# Altium PCB PCB2.PcbDoc (part 3 of 9) (continued)
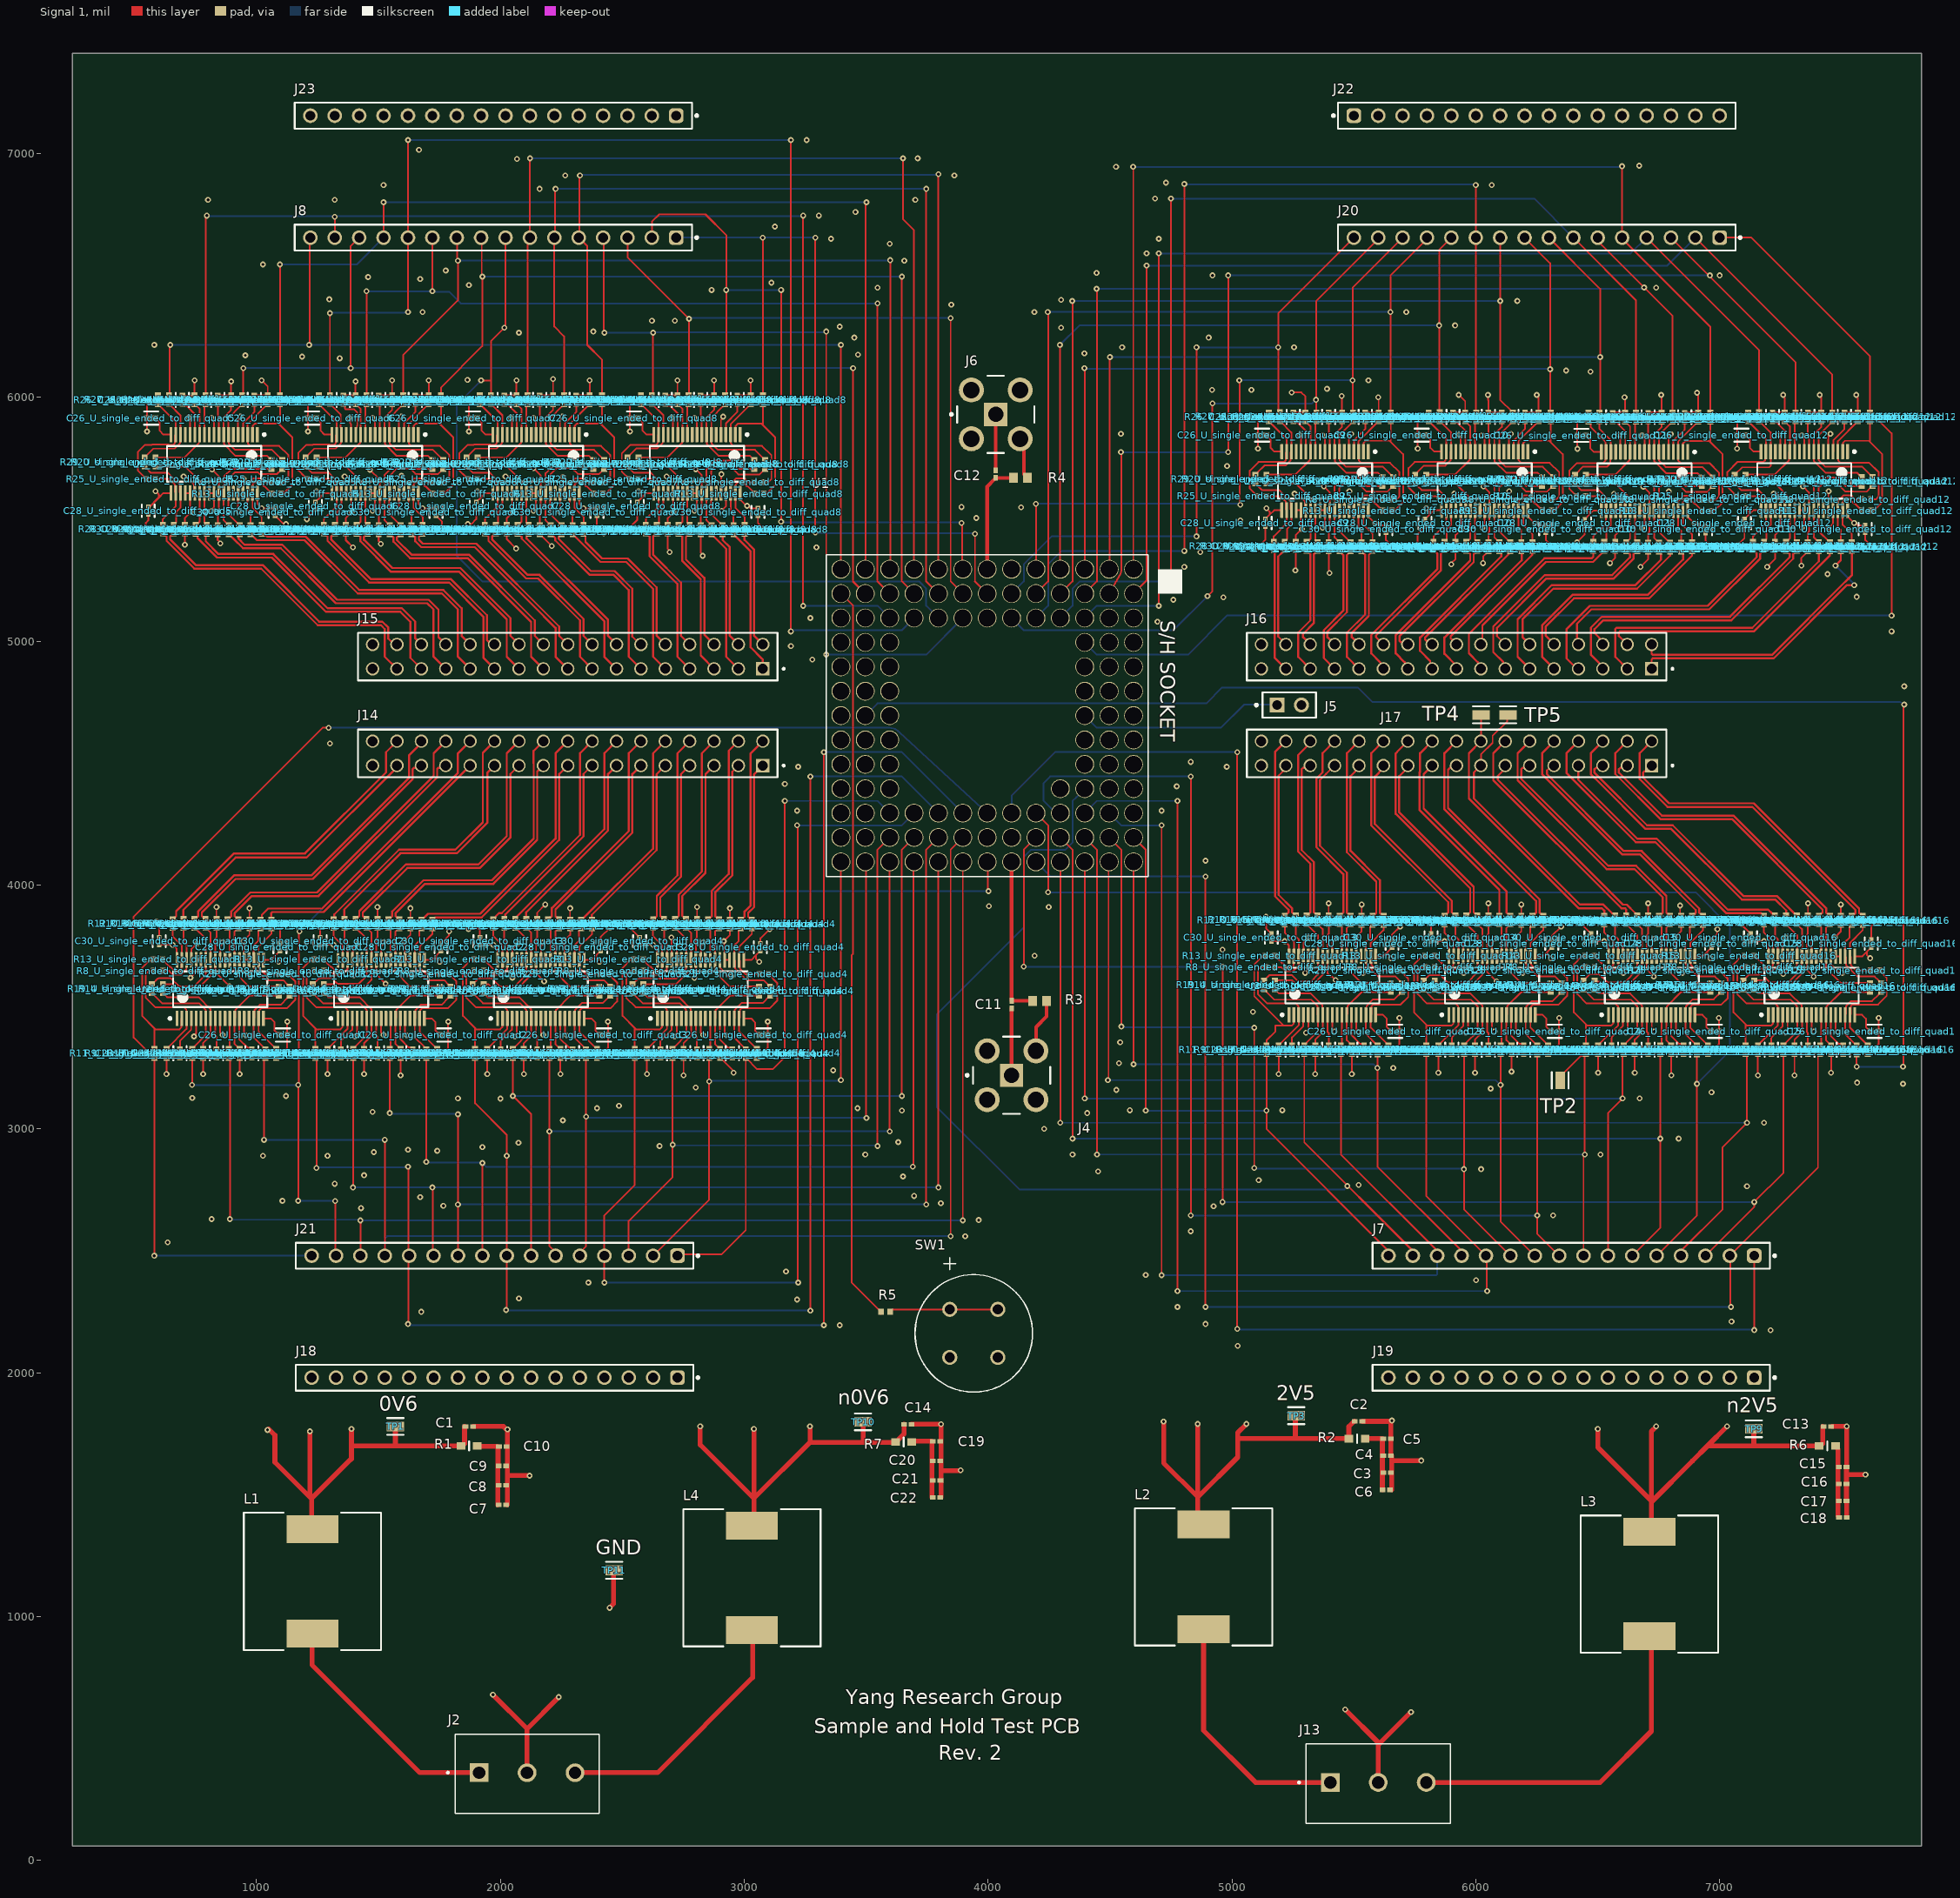
[diagram p0: Signal 1 view]
## Nets (pads, with @x,y where several pads share a name; then routed paths per layer and width w, separated by ;. In a path a pad name is that pad's centre, name@x,y a point inside that pad or via, vN(x,y) a via of type N, cw(c..) or ccw(c..) an arc to the next point about the centre after c; other vN are vias at no path point) (continued)
  Signal 1 w7: C28_U_single_ended_to_diff_quad5.1@558.81,5547.87 599.87,5588.94 ; v1(586.68,5615) 599.87,5601.81 599.87,5588.94 ; U2_U_single_ended_to_diff_quad5.20@649.52,5607.13 618.06,5607.13 599.87,5588.94 ; v1(701.68,5675) 712.2,5675 745.16,5642.04 745.16,5609.91 U2_U_single_ended_to_diff_quad5.25@747.94,5607.13 ; U2_U_single_ended_to_diff_quad1.35@733.57,3692.87 733.57,3736.89 v1(756.68,3760) ; v1(818,5704) 846.37,5675.63 U2_U_single_ended_to_diff_quad5.30@846.37,5607.13 846.37,5519.33 841.68,5514.64 C27_U_single_ended_to_diff_quad5.2@841.68,5476.1 ; C27_U_single_ended_to_diff_quad1.2@836.68,3823.9 836.68,3785.36 832,3780.67 832,3643 v1(890,3585) ; U2_U_single_ended_to_diff_quad1.25@930.42,3692.87 933.2,3690.09 933.2,3657.96 966.17,3625 v1(976.68,3625) ; U2_U_single_ended_to_diff_quad5.35@944.79,5607.13 946.4,5608.73 946.4,5663.4 v1(948,5665) ; U2_U_single_ended_to_diff_quad1.20@1028.85,3692.87 1060.3,3692.87 1078.49,3711.06 ; v1(1091.68,3685) 1078.49,3698.19 1078.49,3711.06 ; C28_U_single_ended_to_diff_quad1.1@1096.68,3730.1 1096.68,3729.25 1078.49,3711.06 ; C28_U_single_ended_to_diff_quad6.1@1241.68,5569.9 1241.68,5570.75 1259.87,5588.94 ; v1(1246.68,5615) 1259.87,5601.81 1259.87,5588.94 ; U2_U_single_ended_to_diff_quad6.20@1309.52,5607.13 1278.06,5607.13 1259.87,5588.94 ; v1(1361.68,5675) 1372.2,5675 1405.16,5642.04 1405.16,5609.91 U2_U_single_ended_to_diff_quad6.25@1407.94,5607.13 ; U2_U_single_ended_to_diff_quad2.35@1393.57,3692.87 1394.92,3694.23 1394.92,3738.24 v1(1416.68,3760) ; v1(1466,5703) 1506.37,5662.63 1506.37,5519.33 1501.68,5514.64 C27_U_single_ended_to_diff_quad6.2@1501.68,5476.1 ; C27_U_single_ended_to_diff_quad2.2@1496.68,3823.9 1496.68,3785.36 1492,3780.67 1492,3633 v1(1530,3595) ; U2_U_single_ended_to_diff_quad2.25@1590.42,3692.87 1593.2,3690.09 1593.2,3657.96 1626.17,3625 v1(1636.68,3625) ; v1(1595,5678) 1595,5673.4 1604.79,5663.61 U2_U_single_ended_to_diff_quad6.35@1604.79,5607.13 ; U2_U_single_ended_to_diff_quad2.20@1688.85,3692.87 1720.3,3692.87 1738.49,3711.06 ; v1(1751.68,3685) 1738.49,3698.19 1738.49,3711.06 ; C28_U_single_ended_to_diff_quad2.1@1756.68,3730.1 1756.68,3729.25 1738.49,3711.06 ; C28_U_single_ended_to_diff_quad7.1@1901.68,5569.9 1901.68,5570.75 1919.87,5588.94 ; v1(1906.68,5615) 1919.87,5601.81 1919.87,5588.94 ; U2_U_single_ended_to_diff_quad7.20@1969.52,5607.13 1938.06,5607.13 1919.87,5588.94 ; v1(2021.68,5675) 2032.2,5675 2065.16,5642.04 2065.16,5609.91 U2_U_single_ended_to_diff_quad7.25@2067.94,5607.13 ; U2_U_single_ended_to_diff_quad3.35@2048.57,3692.87 2049.92,3694.23 2049.92,3738.24 v1(2071.68,3760) ; v1(2136,5710) 2166.37,5679.63 U2_U_single_ended_to_diff_quad7.30@2166.37,5607.13 2166.37,5519.33 2161.68,5514.64 C27_U_single_ended_to_diff_quad7.2@2161.68,5476.1 ; C27_U_single_ended_to_diff_quad3.2@2151.68,3823.9 2151.68,3785.36 2147,3780.67 2147,3638 v1(2180,3605) ; U2_U_single_ended_to_diff_quad3.25@2245.42,3692.87 2248.2,3690.09 2248.2,3657.96 2281.17,3625 v1(2291.68,3625) ; v1(2257,5673) 2257,5668.4 2264.79,5660.61 U2_U_single_ended_to_diff_quad7.35@2264.79,5607.13 ; U2_U_single_ended_to_diff_quad3.20@2343.85,3692.87 2375.3,3692.87 2393.49,3711.06 ; v1(2406.68,3685) 2393.49,3698.19 2393.49,3711.06 ; C28_U_single_ended_to_diff_quad3.1@2411.68,3730.1 2411.68,3729.25 2393.49,3711.06 ; C28_U_single_ended_to_diff_quad8.1@2561.68,5569.9 2561.68,5570.75 2579.87,5588.94 ; v1(2566.68,5615) 2579.87,5601.81 2579.87,5588.94 ; U2_U_single_ended_to_diff_quad8.20@2629.52,5607.13 2598.06,5607.13 2579.87,5588.94 ; v1(2681.68,5675) 2692.2,5675 2725.16,5642.04 2725.16,5609.91 U2_U_single_ended_to_diff_quad8.25@2727.94,5607.13 ; v1(2701.68,3785) 2702.79,3783.89 2702.79,3693.65 U2_U_single_ended_to_diff_quad4.35@2703.57,3692.87 ; v1@2796.68,3625 2802,3630.31 U2_U_single_ended_to_diff_quad4.30@2802,3692.87 2802,3780.67 2806.68,3785.36 C27_U_single_ended_to_diff_quad4.2@2806.68,3823.9 ; v1(2801.68,5705) 2826.37,5680.31 U2_U_single_ended_to_diff_quad8.30@2826.37,5607.13 2826.37,5519.33 2821.68,5514.64 C27_U_single_ended_to_diff_quad8.2@2821.68,5476.1 ; U2_U_single_ended_to_diff_quad4.25@2900.42,3692.87 2903.2,3690.09 2903.2,3657.96 2936.17,3625 v1(2946.68,3625) ; v1(2906.68,5535) 2924.79,5553.11 U2_U_single_ended_to_diff_quad8.35@2924.79,5607.13 ; U2_U_single_ended_to_diff_quad4.20@2998.85,3692.87 3030.3,3692.87 3048.49,3711.06 ; v1(3061.68,3685) 3048.49,3698.19 3048.49,3711.06 ; C28_U_single_ended_to_diff_quad4.1@3066.68,3730.1 3066.68,3729.25 3048.49,3711.06 ; C28_U_single_ended_to_diff_quad9.1@5136.68,5499.9 5136.68,5500.75 5154.87,5518.94 ; v1(5141.68,5545) 5154.87,5531.81 5154.87,5518.94 ; U2_U_single_ended_to_diff_quad9.20@5204.52,5537.13 5173.06,5537.13 5154.87,5518.94 ; v1(5256.68,5605) 5267.2,5605 5300.16,5572.04 5300.16,5539.91 U2_U_single_ended_to_diff_quad9.25@5302.94,5537.13 ; U2_U_single_ended_to_diff_quad13.35@5293.57,3707.87 5293.57,3763.57 v1(5315,3785) ; v1(5376.68,5635) 5401.37,5610.31 U2_U_single_ended_to_diff_quad9.30@5401.37,5537.13 5401.37,5449.33 5396.68,5444.64 C27_U_single_ended_to_diff_quad9.2@5396.68,5406.1 ; C27_U_single_ended_to_diff_quad13.2@5396.68,3838.9 5396.68,3800.36 5392,3795.67 U2_U_single_ended_to_diff_quad13.30@5392,3707.87 5392,3638 5404.28,3625.72 5409.28,3625.72 v1(5425,3610) ; v1(5481.68,5465) 5499.79,5483.11 U2_U_single_ended_to_diff_quad9.35@5499.79,5537.13 ; U2_U_single_ended_to_diff_quad13.25@5490.42,3707.87 5493.2,3705.09 5493.2,3672.96 5526.17,3640 v1(5536.68,3640) ; U2_U_single_ended_to_diff_quad13.20@5588.85,3707.87 5620.3,3707.87 5638.49,3726.06 ; v1(5651.68,3700) 5638.49,3713.19 5638.49,3726.06 ; C28_U_single_ended_to_diff_quad13.1@5656.68,3745.1 5656.68,3744.25 5638.49,3726.06 ; C28_U_single_ended_to_diff_quad10.1@5791.68,5499.9 5791.68,5500.75 5809.87,5518.94 ; v1(5796.68,5545) 5809.87,5531.81 5809.87,5518.94 ; U2_U_single_ended_to_diff_quad10.20@5859.52,5537.13 5828.06,5537.13 5809.87,5518.94 ; v1(5911.68,5605) 5922.2,5605 5955.16,5572.04 5955.16,5539.91 U2_U_single_ended_to_diff_quad10.25@5957.94,5537.13 ; U2_U_single_ended_to_diff_quad14.35@5948.57,3707.87 5948.57,3763.57 v1(5965,3780) ; v1(6031.68,5635) 6056.37,5610.31 U2_U_single_ended_to_diff_quad10.30@6056.37,5537.13 6056.37,5449.33 6051.68,5444.64 C27_U_single_ended_to_diff_quad10.2@6051.68,5406.1 ; C27_U_single_ended_to_diff_quad14.2@6051.68,3838.9 6051.68,3800.36 6047,3795.67 6047,3643 v1(6085,3605) ; v1(6136.68,5465) 6154.79,5483.11 U2_U_single_ended_to_diff_quad10.35@6154.79,5537.13 ; U2_U_single_ended_to_diff_quad14.25@6145.42,3707.87 6148.2,3705.09 6148.2,3672.96 6181.17,3640 v1(6191.68,3640) ; U2_U_single_ended_to_diff_quad14.20@6243.85,3707.87 6275.3,3707.87 6293.49,3726.06 ; v1(6306.68,3700) 6293.49,3713.19 6293.49,3726.06 ; C28_U_single_ended_to_diff_quad14.1@6311.68,3745.1 6311.68,3744.25 6293.49,3726.06 ; C28_U_single_ended_to_diff_quad11.1@6446.68,5498.8 6446.68,5499.65 6464.87,5517.83 ; v1(6451.68,5543.9) 6464.87,5530.71 6464.87,5517.83 ; U2_U_single_ended_to_diff_quad11.20@6514.52,5536.02 6483.06,5536.02 6464.87,5517.83 ; v1(6566.68,5603.9) 6577.2,5603.9 6610.16,5570.93 6610.16,5538.8 U2_U_single_ended_to_diff_quad11.25@6612.94,5536.02 ; U2_U_single_ended_to_diff_quad15.35@6603.57,3707.87 6603.57,3763.57 v1(6620,3780) ; v1(6686.68,5633.9) 6711.37,5609.21 U2_U_single_ended_to_diff_quad11.30@6711.37,5536.02 6711.37,5448.23 6706.68,5443.54 C27_U_single_ended_to_diff_quad11.2@6706.68,5405 ; C27_U_single_ended_to_diff_quad15.2@6706.68,3838.9 6706.68,3800.36 6702,3795.67 6702,3653 v1(6730,3625) ; v1(6791.68,5463.9) 6809.79,5482.01 U2_U_single_ended_to_diff_quad11.35@6809.79,5536.02 ; U2_U_single_ended_to_diff_quad15.25@6800.42,3707.87 6803.2,3705.09 6803.2,3672.96 6836.17,3640 v1(6846.68,3640) ; U2_U_single_ended_to_diff_quad15.20@6898.85,3707.87 6930.3,3707.87 6948.49,3726.06 ; v1(6961.68,3700) 6948.49,3713.19 6948.49,3726.06 ; C28_U_single_ended_to_diff_quad15.1@6966.68,3745.1 6966.68,3744.25 6948.49,3726.06 ; C28_U_single_ended_to_diff_quad12.1@7101.68,5499.9 7101.68,5500.75 7119.87,5518.94 ; v1(7106.68,5545) 7119.87,5531.81 7119.87,5518.94 ; U2_U_single_ended_to_diff_quad12.20@7169.52,5537.13 7138.06,5537.13 7119.87,5518.94 ; v1(7221.68,5605) 7232.2,5605 7265.16,5572.04 7265.16,5539.91 U2_U_single_ended_to_diff_quad12.25@7267.94,5537.13 ; U2_U_single_ended_to_diff_quad16.35@7258.57,3707.87 7258.57,3768.7 7270,3780.13 v1(7270,3785) ; v1(7341.68,5635) 7366.37,5610.31 U2_U_single_ended_to_diff_quad12.30@7366.37,5537.13 7366.37,5449.33 7361.68,5444.64 C27_U_single_ended_to_diff_quad12.2@7361.68,5406.1 ; C27_U_single_ended_to_diff_quad16.2@7361.68,3838.9 7361.68,3800.36 7357,3795.67 7357,3653 v1(7385,3625) ; v1(7446.68,5465) 7464.79,5483.11 U2_U_single_ended_to_diff_quad12.35@7464.79,5537.13 ; U2_U_single_ended_to_diff_quad16.25@7455.42,3707.87 7458.2,3705.09 7458.2,3672.96 7491.17,3640 v1(7501.68,3640) ; U2_U_single_ended_to_diff_quad16.20@7553.85,3707.87 7585.3,3707.87 7603.49,3726.06 ; v1(7616.68,3700) 7603.49,3713.19 7603.49,3726.06 ; C28_U_single_ended_to_diff_quad16.1@7621.68,3745.1 7621.68,3744.25 7603.49,3726.06
  Signal 1 w20: v1(4720,1800) 4720,1629.84 4860,1489.84 ; v1(4860,1790) 4860,1489.84 ; L2.2@4884,1377.57 4860,1401.57 4860,1489.84 ; v1(5060,1790) 5023.98,1753.98 5023.98,1723.98 ; TP3.1@5260,1830 5260,1730 ; C2.2@5504,1801 5501.24,1801 5479.54,1779.29 5479.54,1732 5477.54,1730 5260,1730 ; 4860,1489.84 5023.98,1653.82 5023.98,1723.98 ; 5023.98,1723.98 5030,1730 5260,1730
  other v1: 2796.68,3619.68
+0V6_UF: J2.1 L1.1 | length 992.1
  Signal 1 w20: L1.1@1228,926 1228,802.16 1670.16,360 J2.1@1913.15,360
+2V5_UF: J13.1 L2.1 | length 1022.8
  Signal 1 w20: L2.1@4884,948.43 4884,533 5097,320 J13.1@5403.15,320
-0V6_UF: J2.3 L4.1 | length 1066.7
  Signal 1 w20: J2.3@2306.85,360 2645,360 3035,750 L4.1@3035,927
-2V5_UF: J13.3 L3.1 | length 1399.1
  Signal 1 w20: J13.3@5796.85,320 6510,320 6720,530 L3.1@6720,919
A1: J7.13 R27_U_single_ended_to_diff_quad13.1 U1.A1 | length 2784.3
  Signal 1 w7: v1(4596.68,3265) U1.A1@4596.68,4095 ; R27_U_single_ended_to_diff_quad13.1@5596.68,3305.15 v1(5596.68,3250) 5596.68,2845 J7.13@5941.68,2500
  Signal 2 w7: v1(4596.68,3265) 5581.68,3265 v1(5596.68,3250)
A2: J7.16 R11_U_single_ended_to_diff_quad13.1 U1.A2 | length 2668.9
  Signal 1 w7: U1.A2@4596.68,4195 4646.68,4145 v1(4646.68,3075) ; R11_U_single_ended_to_diff_quad13.1@5141.68,3306.1 v1(5141.68,3075) 5141.68,3000 5641.68,2500 J7.16@5641.68,2480
  Signal 2 w7: v1(4646.68,3075) v1(5141.68,3075)
A12: J20.2 R17_U_single_ended_to_diff_quad12.1 U1.A12 | length 4613.5
  Signal 1 w7: U1.A12@4596.68,5195 4650,5248.32 v1(4650,6540) ; J20.2@6900,6655 7461.68,6093.32 R17_U_single_ended_to_diff_quad12.1@7461.68,5938.9
  Signal 2 w7: v1(4650,6540) 6785,6540 J20.2@6900,6655
A13: J20.5 R11_U_single_ended_to_diff_quad11.1 U1.A13 | length 4816.3
  Signal 1 w7: v1(4595,6945) 4595.84,6944.16 4595.84,5295.84 U1.A13@4596.68,5295 ; v1(6599.73,6947.68) 6599.86,6947.54 6599.86,6650.14 6961.68,6288.32 R11_U_single_ended_to_diff_quad11.1@6961.68,5937.8
  Signal 2 w7: v1(4595,6945) 6597.05,6945 v1(6599.73,6947.68)
B1: J7.10 R23_U_single_ended_to_diff_quad14.1 U1.B1 | length 3399.4
  Signal 1 w7: v1(4491.68,3200) 4494.18,3202.5 4494.18,4092.5 U1.B1@4496.68,4095 ; R23_U_single_ended_to_diff_quad14.1@6101.68,3306.1 v1(6101.68,3180) 6101.68,2620 J7.10@6241.68,2480
  Signal 2 w7: v1(4491.68,3200) 6081.68,3200 v1(6101.68,3180)
B2: J7.11 R17_U_single_ended_to_diff_quad14.1 U1.B2 | length 3684.7
  Signal 1 w7: U1.B2@4496.68,4195 4546.68,4145 v1(4546.68,3420) ; v1(5091.68,2840) v1(5091.68,3415) ; R17_U_single_ended_to_diff_quad14.1@5951.68,3306.1 v1(5951.68,2835) 5951.68,2670 J7.11@6141.68,2480
  Signal 2 w7: v1(4546.68,3420) 4549.18,3417.5 5089.18,3417.5 v1(5091.68,3415) ; v1(5091.68,2840) 5094.18,2837.5 5949.18,2837.5 v1(5951.68,2835)
B3: J7.14 R23_U_single_ended_to_diff_quad13.1 U1.B3 | length 4298
  Signal 1 w7: v1(4711.68,2400) v1(4711.68,4245) ; R23_U_single_ended_to_diff_quad13.1@5446.68,3306.1 5446.68,2895 5841.68,2500 J7.14@5841.68,2480
  Signal 2 w7: U1.B3@4496.68,4295 4546.68,4245 v1(4711.68,4245) ; v1(4711.68,2400) 5837.58,2400 5841.68,2404.1 J7.14@5841.68,2480 J7.14@5841.68,2500
B12: J20.3 R23_U_single_ended_to_diff_quad12.1 U1.B12 | length 4661.5
  Signal 1 w7: U1.B12@4496.68,5195 4539.98,5270 ccw(c4496.68,5295) 4546.68,5295 4546.68,5773.32 v1(4545,5775) ; v1(4985,5775) v1(4985,6500) ; J20.3@6800,6655 7311.68,6143.32 R23_U_single_ended_to_diff_quad12.1@7311.68,5938.9
  Signal 2 w7: v1(4545,5775) v1(4985,5775) ; v1(4985,6500) v1(6960,6500)
B13: J20.8 R27_U_single_ended_to_diff_quad11.1 U1.B13 | length 3688.4
  Signal 1 w7: U1.B13@4496.68,5295 4498.34,5296.66 4498.34,6163.34 v1(4500,6165) ; J20.8@6300,6655 6510,6445 v1(6510,6165) R27_U_single_ended_to_diff_quad11.1@6510,5942.06 ; R27_U_single_ended_to_diff_quad11.1@6506.68,5938.75 R27_U_single_ended_to_diff_quad11.1@6510,5942.06 ; R27_U_single_ended_to_diff_quad11.1@6511.68,5943.75 R27_U_single_ended_to_diff_quad11.1@6510,5942.06
  Signal 2 w7: v1(4500,6165) v1(6510,6165)
C1: J7.7 R17_U_single_ended_to_diff_quad15.1 U1.C1 | length 4028
  Signal 1 w7: v1(4396.68,3125) U1.C1@4396.68,4095 ; J7.7@6541.68,2480 6541.68,3065 v1(6601.68,3125) 6601.68,3301.1 R17_U_single_ended_to_diff_quad15.1@6606.68,3306.1
  Signal 2 w7: v1(4396.68,3125) v1(6601.68,3125)
C2: J7.8 R11_U_single_ended_to_diff_quad15.1 TP2.1 U1.C2 | length 4290.2
  Signal 1 w7: U1.C2@4396.68,4195 4446.68,4145 v1(4446.68,2895) ; TP2.1@6346,3199 6346,3214.75 6429.83,3298.58 6444.16,3298.58 R11_U_single_ended_to_diff_quad15.1@6451.68,3306.1 6446.68,3301.1 6446.68,2890.4 6441.68,2885.4 J7.8@6441.68,2500
  Signal 2 w7: v1(4446.68,2895) v1(6446.68,2895)
C3: J7.12 R11_U_single_ended_to_diff_quad14.1 U1.C3 | length 4771.8
  Signal 1 w7: v1(4776.68,2335) v1(4776.68,4345) ; R11_U_single_ended_to_diff_quad14.1@5796.68,3306.1 5796.68,2725 J7.12@6041.68,2480 ; J7.12@6044.18,2497.5 6044.18,2480 6044.18,2337.5 v1(6046.68,2335)
  Signal 2 w7: U1.C3@4396.68,4295 4446.68,4345 v1(4776.68,4345) ; v1(4776.68,2335) v1(6046.68,2335)
C4: J7.15 R17_U_single_ended_to_diff_quad13.1 U1.C4 | length 4480.1
  Signal 1 w7: R17_U_single_ended_to_diff_quad13.1@5296.68,3306.1 5296.68,2945 5741.68,2500 J7.15@5741.68,2480
  Signal 2 w7: U1.C4@4396.68,4395 4361.68,4360 4346.68,4345 4346.68,4174.29 4317.39,4145 4175.97,4145 4146.68,4115.71 4146.68,3826.68 3790,3470 3790,3090 4128.5,2751.5 5461.35,2751.5 5473.37,2763.52 v1(5473.37,2765.5)
C10: J20.1 R11_U_single_ended_to_diff_quad12.1 U1.C10 | length 5314.5
  Signal 1 w7: J20.1@7000,6655 7130,6655 7616.68,6168.32 R11_U_single_ended_to_diff_quad12.1@7616.68,5938.9 7617.86,5938.9 7633.14,5923.63 7633.65,5923.63 7705,5852.28 v1(7705,5105)
  Signal 2 w7: U1.C10@4396.68,4995 4446.68,4945 4820,4945 4980,5105 v1(7705,5105)
C11: J20.4 R27_U_single_ended_to_diff_quad12.1 U1.C11 | length 4704.8
  Signal 1 w7: v1(4700,5145) v1(4700,6590) ; J20.4@6698.24,6656.76 7161.68,6193.32 R27_U_single_ended_to_diff_quad12.1@7161.68,5939.85
  Signal 2 w7: U1.C11@4396.68,5095 4446.68,5145 v1(4700,5145) ; v1(4700,6590) 6635,6590 J20.4@6700,6655
C12: J20.6 R17_U_single_ended_to_diff_quad11.1 U1.C12 | length 4363.4
  Signal 1 w7: U1.C12@4396.68,5195 4446.68,5245 4446.68,6443.32 v1(4445,6445) ; J20.6@6500,6655 6500,6640.7 6514.08,6626.62 6514.08,6625.92 6806.68,6333.32 R17_U_single_ended_to_diff_quad11.1@6806.68,5937.8
  Signal 2 w7: v1(4445,6445) 6685,6445 6690,6450 6690,6450.48 v1(6690.15,6450.62)
C13: J20.9 R11_U_single_ended_to_diff_quad10.1 U1.C13 | length 3495.7
  Signal 1 w7: v1(4395,6120) 4396.68,6118.32 U1.C13@4396.68,5295 ; J20.9@6200,6655 6305,6550 v1(6305,6115) R11_U_single_ended_to_diff_quad10.1@6305,5940.58
  Signal 2 w7: v1(4395,6120) 4397.5,6117.5 6302.5,6117.5 v1(6305,6115)
CHN0: J17.01 R28_U_single_ended_to_diff_quad16.1 | length 1213.3
  Signal 1 w8.5: J17.01@6720.97,4490 6697.86,4466.89 6691.16,4466.89 6686.18,4461.91 6686.18,4440.5 6791.68,4335 7139.61,4335 7571.43,3903.18 7571.43,3885.65 7576.41,3880.67 7579.91,3880.67 R28_U_single_ended_to_diff_quad16.1@7586.68,3873.9
CHN1: J17.03 R22_U_single_ended_to_diff_quad16.1 | length 1172.8
  Signal 1 w8.5: J17.03@6620.97,4490 6612.13,4481.16 6593.23,4481.16 6586.68,4474.61 6586.68,4460.87 6762.56,4285 7056.48,4285 7436.43,3905.05 7436.43,3886.75 7441.41,3881.77 7444.91,3881.77 R22_U_single_ended_to_diff_quad16.1@7451.68,3875
CHN2: J17.05 R16_U_single_ended_to_diff_quad16.1 | length 1126.6
  Signal 1 w8.5: J17.05@6520.97,4490 6512.13,4481.16 6493.23,4481.16 6486.68,4474.61 6486.68,4460.51 6702.19,4245 6807.19,4245 7097.19,3955 7233.93,3955 7305.46,3883.47 7309.91,3883.47 R16_U_single_ended_to_diff_quad16.1@7316.68,3876.69
CHN3: J17.07 R10_U_single_ended_to_diff_quad16.1 | length 1094.5
  Signal 1 w8.5: J17.07@6420.97,4490 6420.59,4489.62 6420.59,4431.6 6662.39,4189.8 6742.39,4189.8 7033.32,3898.86 7198.96,3898.86 7214.36,3883.47 7219.91,3883.47 R10_U_single_ended_to_diff_quad16.1@7226.68,3876.69
CHN4: J17.09 R28_U_single_ended_to_diff_quad15.1 | length 943.3
  Signal 1 w8.5: J17.09@6320.97,4490 6312.08,4490 6291.68,4469.61 6291.68,4455 6607.18,4139.5 6680.11,4139.5 6916.43,3903.18 6916.43,3885.65 6921.41,3880.67 6924.91,3880.67 R28_U_single_ended_to_diff_quad15.1@6931.68,3873.9
CHN5: J17.11 R22_U_single_ended_to_diff_quad15.1 | length 963.1
  Signal 1 w8.5: J17.11@6220.97,4490 6212.13,4481.16 6192.23,4481.16 6186.18,4475.11 6186.18,4436.01 6542.69,4079.5 6657.18,4079.5 6781.43,3955.25 6781.43,3886.75 6786.41,3881.77 6789.91,3881.77 R22_U_single_ended_to_diff_quad15.1@6796.68,3875
CHN6: J17.13 R16_U_single_ended_to_diff_quad15.1 | length 872.7
  Signal 1 w8.5: J17.13@6120.97,4490 6120.97,4477.49 6090.46,4446.97 6090.46,4431.73 6602.72,3919.47 6618.91,3919.47 6653.73,3884.65 6653.73,3883.47 6660.5,3876.69 R16_U_single_ended_to_diff_quad15.1@6661.68,3876.69
CHN7: J17.15 R10_U_single_ended_to_diff_quad15.1 TP5.1 | length 1178.9
  Signal 1 w7: J17.15@6020.97,4490 6020.97,4535.04 6069,4583.07 6069,4612 6128.92,4671.92 6128.92,4694.92 TP5.1@6132,4698
  Signal 1 w8.5: J17.15@6020.97,4490 5991.68,4460.71 5991.68,4355.51 6427.19,3920 6522.83,3920 6559.36,3883.47 6564.91,3883.47 R10_U_single_ended_to_diff_quad15.1@6571.68,3876.69
CHN8: J17.17 R28_U_single_ended_to_diff_quad14.1 | length 804.4
  Signal 1 w8.5: J17.17@5920.97,4490 5912.13,4481.16 5894.98,4481.16 5886.17,4472.35 5886.17,4316.06 6261.43,3940.8 6261.43,3885.65 6266.41,3880.67 6269.91,3880.67 R28_U_single_ended_to_diff_quad14.1@6276.68,3873.9
CHN9: J17.19 R22_U_single_ended_to_diff_quad14.1 | length 778.7
  Signal 1 w8.5: J17.19@5820.97,4490 5786.18,4455.21 5786.18,4313.82 6126.43,3973.57 6126.43,3886.75 6131.41,3881.77 6134.91,3881.77 R22_U_single_ended_to_diff_quad14.1@6141.68,3875
CHN10: J17.21 R16_U_single_ended_to_diff_quad14.1 | length 762.5
  Signal 1 w8.5: J17.21@5720.97,4490 5720.97,4481.16 5686.18,4446.36 5686.18,4297.98 5991.43,3992.73 5991.43,3888.45 5996.41,3883.47 5999.91,3883.47 R16_U_single_ended_to_diff_quad14.1@6006.68,3876.69
CHN11: J17.23 R10_U_single_ended_to_diff_quad14.1 | length 766.7
  Signal 1 w8.5: J17.23@5620.97,4490 5620.97,4479.29 5586.18,4444.5 5586.18,4250.5 5901.43,3935.25 5901.43,3888.45 5906.41,3883.47 5909.91,3883.47 R10_U_single_ended_to_diff_quad14.1@5916.68,3876.69
CHN12: J17.25 R28_U_single_ended_to_diff_quad13.1 | length 688.7
  Signal 1 w8.5: J17.25@5520.97,4490 5520.97,4481.16 5486.18,4446.36 5486.18,4140.5 5606.43,4020.25 5606.43,3885.65 5611.41,3880.67 5614.91,3880.67 R28_U_single_ended_to_diff_quad13.1@5621.68,3873.9
CHN13: J17.27 R22_U_single_ended_to_diff_quad13.1 | length 694.1
  Signal 1 w8.5: J17.27@5420.97,4490 5420.44,4490 5386.18,4455.75 5361.18,4430.75 5361.18,4161.01 5471.43,4050.76 5471.43,3886.75 5476.41,3881.77 5479.91,3881.77 R22_U_single_ended_to_diff_quad13.1@5486.68,3875
CHN14: J17.29 R16_U_single_ended_to_diff_quad13.1 | length 668.6
  Signal 1 w8.5: J17.29@5320.97,4490 5312.13,4481.16 5292.23,4481.16 5286.18,4475.11 5286.18,4143.6 5336.43,4093.35 5336.43,3888.45 5341.41,3883.47 5344.91,3883.47 R16_U_single_ended_to_diff_quad13.1@5351.68,3876.69
CHN15: J17.31 R10_U_single_ended_to_diff_quad13.1 | length 656.5
  Signal 1 w8.5: J17.31@5220.97,4490 5220.97,4477.49 5191.68,4448.2 5191.68,3959.62 5246.43,3904.87 5246.43,3888.45 5251.41,3883.47 5254.91,3883.47 R10_U_single_ended_to_diff_quad13.1@5261.68,3876.69
CHN16: J16.01 R10_U_single_ended_to_diff_quad12.1 | length 1174.1
  Signal 1 w8.5: J16.01@6720.97,4886.65 6720.97,4924.42 6725.95,4929.4 7221.09,4929.4 7521.68,5230 v1(7551.68,5230) ; v1(7475,5310) 7496.68,5331.68 R10_U_single_ended_to_diff_quad12.1@7496.68,5368.31
  Signal 2 w8.5: v1(7475,5310) 7551.68,5233.32 v1(7551.68,5230)
CHN17: J16.03 R16_U_single_ended_to_diff_quad12.1 | length 1174.6
  Signal 1 w8.5: J16.03@6620.97,4886.65 6571.68,4935.95 6571.68,5050.02 6576.66,5055 6868.13,5055 6868.38,5054.75 7133.68,5054.75 7406.68,5327.75 R16_U_single_ended_to_diff_quad12.1@7406.68,5368.31
CHN18: J16.05 R22_U_single_ended_to_diff_quad12.1 | length 1157.7
  Signal 1 w8.5: J16.05@6520.97,4886.65 6520.97,4895.71 6471.68,4945 6471.68,5055 6516.68,5100 7042.24,5100 7286.93,5344.7 7286.93,5358.25 7281.95,5363.23 7278.46,5363.23 R22_U_single_ended_to_diff_quad12.1@7271.68,5370
CHN19: J16.07 R28_U_single_ended_to_diff_quad12.1 | length 1123
  Signal 1 w8.5: J16.07@6420.97,4886.65 6415.03,4886.65 6371.68,4930 6371.68,5048.86 6431.68,5108.86 6463.58,5140.75 6467.83,5145 6951.13,5145 7151.93,5345.8 7151.93,5359.35 7146.95,5364.33 7143.46,5364.33 R28_U_single_ended_to_diff_quad12.1@7136.68,5371.1
CHN20: J16.09 R10_U_single_ended_to_diff_quad11.1 | length 925
  Signal 1 w8.5: J16.09@6320.97,4886.65 6271.68,4935.95 6271.68,5065 6396.68,5190 6705.03,5190 6849.64,5334.61 6849.64,5360.43 6842.86,5367.2 R10_U_single_ended_to_diff_quad11.1@6841.68,5367.2
CHN21: J16.11 R16_U_single_ended_to_diff_quad11.1 | length 949.6
  Signal 1 w8.5: J16.11@6220.97,4886.65 6171.68,4935.95 6171.68,5090 6311.68,5230 6655.03,5230 6759.64,5334.61 6759.64,5360.43 6752.86,5367.2 R16_U_single_ended_to_diff_quad11.1@6751.68,5367.2
CHN22: J16.13 R22_U_single_ended_to_diff_quad11.1 | length 905.2
  Signal 1 w8.5: J16.13@6120.97,4886.65 6112.13,4895.5 6112.13,4914.55 6071.68,4955 6071.68,5060 6282.89,5271.21 6559.55,5271.21 6631.93,5343.6 6631.93,5357.14 6626.95,5362.12 6623.46,5362.12 R22_U_single_ended_to_diff_quad11.1@6616.68,5368.9
CHN23: J16.15 R28_U_single_ended_to_diff_quad11.1 | length 828.3
  Signal 1 w8.5: J16.15@6020.97,4886.65 6020.97,4899.16 6008.14,4912 6008.14,4913.54 5971.68,4950 5971.68,5030 6281.4,5339.72 6474.71,5339.72 6481.68,5346.69 R28_U_single_ended_to_diff_quad11.1@6481.68,5370
CHN24: J16.17 R10_U_single_ended_to_diff_quad10.1 | length 633.5
  Signal 1 w8.5: J16.17@5920.97,4886.65 5920.97,4899.16 5871.68,4948.45 5871.68,5015.02 6187.86,5331.2 6187.86,5367.13 R10_U_single_ended_to_diff_quad10.1@6186.68,5368.31
CHN25: J16.19 R16_U_single_ended_to_diff_quad10.1 | length 644
  Signal 1 w8.5: J16.19@5820.97,4886.65 5813.14,4894.49 5813.14,4918.54 5771.68,4960 5771.68,5015 6104.64,5347.95 6104.64,5361.53 6097.86,5368.31 R16_U_single_ended_to_diff_quad10.1@6096.68,5368.31
CHN26: J16.21 R22_U_single_ended_to_diff_quad10.1 | length 638.6
  Signal 1 w8.5: J16.21@5720.97,4886.65 5720.97,4899.16 5708.14,4912 5708.14,4913.54 5671.68,4950 5671.68,5025 5976.93,5330.25 5976.93,5358.25 5971.95,5363.23 5968.46,5363.23 R22_U_single_ended_to_diff_quad10.1@5961.68,5370
CHN27: J16.23 R28_U_single_ended_to_diff_quad10.1 | length 625.2
  Signal 1 w8.5: J16.23@5620.97,4886.65 5620.97,4899.16 5608.14,4912 5608.14,4913.54 5571.68,4950 5571.68,5025 5841.93,5295.25 5841.93,5359.35 5836.95,5364.33 5833.46,5364.33 R28_U_single_ended_to_diff_quad10.1@5826.68,5371.1
CHN28: J16.25 R10_U_single_ended_to_diff_quad9.1 | length 540.8
  Signal 1 w8.5: J16.25@5520.97,4886.65 5471.68,4935.95 5471.68,5035 5546.93,5110.25 5546.93,5353.65 R10_U_single_ended_to_diff_quad9.1@5539.64,5360.94 ; R10_U_single_ended_to_diff_quad9.1@5531.68,5368.31 5532.86,5368.31 5539.64,5361.53 R10_U_single_ended_to_diff_quad9.1@5539.64,5360.94 ; R10_U_single_ended_to_diff_quad9.1@5539.64,5360.35 R10_U_single_ended_to_diff_quad9.1@5539.64,5360.94
CHN29: J16.27 R16_U_single_ended_to_diff_quad9.1 | length 540.2
  Signal 1 w8.5: J16.27@5420.97,4886.65 5376.68,4930.95 5376.68,5045 5456.93,5125.25 5456.93,5353.06 5449.64,5360.35 5449.64,5361.53 5442.86,5368.31 R16_U_single_ended_to_diff_quad9.1@5441.68,5368.31
CHN30: J16.29 R22_U_single_ended_to_diff_quad9.1 | length 532.9
  Signal 1 w8.5: R22_U_single_ended_to_diff_quad9.1@5306.68,5370 5313.46,5363.23 5316.95,5363.23 5321.93,5358.25 5321.93,5085.25 5271.68,5035 5271.68,4935.95 J16.29@5320.97,4886.65
CHN31: J16.31 R28_U_single_ended_to_diff_quad9.1 | length 504.9
  Signal 1 w8.5: R28_U_single_ended_to_diff_quad9.1@5171.68,5371.1 5175,5367.78 5175,4932.63 J16.31@5220.97,4886.65
CHN32: J15.01 R10_U_single_ended_to_diff_quad8.1 | length 602.1
  Signal 1 w8.5: R10_U_single_ended_to_diff_quad8.1@2956.68,5438.31 2957.86,5438.31 2964.64,5431.53 2964.64,5430.35 3026.68,5368.31 3026.68,4974.42 3071.7,4929.4 3076.68,4924.42 J15.01@3076.68,4886.65
CHN33: J15.03 R16_U_single_ended_to_diff_quad8.1 | length 597.9
  Signal 1 w8.5: R16_U_single_ended_to_diff_quad8.1@2866.68,5438.31 2867.86,5438.31 2874.64,5431.53 2874.64,5430.35 2926.68,5378.31 2926.68,4936.65 J15.03@2976.68,4886.65
CHN34: J15.05 R22_U_single_ended_to_diff_quad8.1 | length 615.5
  Signal 1 w8.5: R22_U_single_ended_to_diff_quad8.1@2731.68,5440 2738.46,5433.23 2741.95,5433.23 2746.93,5428.25 2746.93,5328.72 2822.18,5253.47 2822.18,4941.15 J15.05@2876.68,4886.65
CHN35: J15.07 R28_U_single_ended_to_diff_quad8.1 | length 631.1
  Signal 1 w8.5: R28_U_single_ended_to_diff_quad8.1@2596.68,5441.1 2603.46,5434.33 2606.95,5434.33 2611.93,5429.35 2611.93,5349.24 2726.68,5234.49 2726.68,4936.65 J15.07@2776.68,4886.65
CHN36: J15.09 R10_U_single_ended_to_diff_quad7.1 | length 771.3
  Signal 1 w8.5: R10_U_single_ended_to_diff_quad7.1@2296.68,5438.31 2297.86,5438.31 2411.18,5325 2423.19,5325 2516.18,5325 2626.68,5214.49 2626.68,4936.65 J15.09@2676.68,4886.65
CHN37: J15.11 R16_U_single_ended_to_diff_quad7.1 | length 764
  Signal 1 w8.5: R16_U_single_ended_to_diff_quad7.1@2206.68,5438.31 2213.46,5431.53 2216.95,5431.53 2225.3,5423.19 2225.3,5413.51 2365.91,5272.9 2463.28,5272.9 2526.68,5209.49 2526.68,4936.65 J15.11@2576.68,4886.65
CHN38: J15.13 R22_U_single_ended_to_diff_quad7.1 | length 723.2
  Signal 1 w8.5: R22_U_single_ended_to_diff_quad7.1@2071.68,5440 2078.46,5433.23 2081.95,5433.23 2087.96,5427.22 2087.96,5420.62 2426.68,5081.9 2426.68,4936.65 J15.13@2476.68,4886.65
CHN39: J15.15 R28_U_single_ended_to_diff_quad7.1 | length 767.4
  Signal 1 w8.5: R28_U_single_ended_to_diff_quad7.1@1936.68,5441.1 1943.46,5434.33 1946.95,5434.33 1951.93,5429.35 1951.93,5411.32 2105.95,5257.3 2154.9,5257.3 2327.18,5085.02 2327.18,4936.15 J15.15@2376.68,4886.65
CHN40: J15.17 R10_U_single_ended_to_diff_quad6.1 | length 947.4
  Signal 1 w8.5: R10_U_single_ended_to_diff_quad6.1@1636.68,5438.31 1643.46,5431.53 1646.95,5431.53 1651.93,5426.55 1651.93,5409.63 1676.06,5385.5 1895.68,5385.5 2127.33,5153.85 2226.68,5054.49 2226.68,5053.79 2226.68,4936.65 J15.17@2276.68,4886.65
CHN41: J15.19 R16_U_single_ended_to_diff_quad6.1 | length 952.7
  Signal 1 w8.5: R16_U_single_ended_to_diff_quad6.1@1546.68,5438.31 1553.46,5431.53 1556.95,5431.53 1561.93,5426.55 1561.93,5408.53 1629.96,5340.5 1865.68,5340.5 2126.68,5079.49 2126.68,4936.65 J15.19@2176.68,4886.65
CHN42: J15.21 R22_U_single_ended_to_diff_quad6.1 | length 994.6
  Signal 1 w8.5: R22_U_single_ended_to_diff_quad6.1@1411.68,5440 1418.46,5433.23 1421.95,5433.23 1426.93,5428.25 1426.93,5409.63 1551.06,5285.5 1830.68,5285.5 2026.68,5089.49 2026.68,4936.65 J15.21@2076.68,4886.65